# Altium PCB RFFE-Ver1A.PcbDoc (part 4 of 7) (continued)
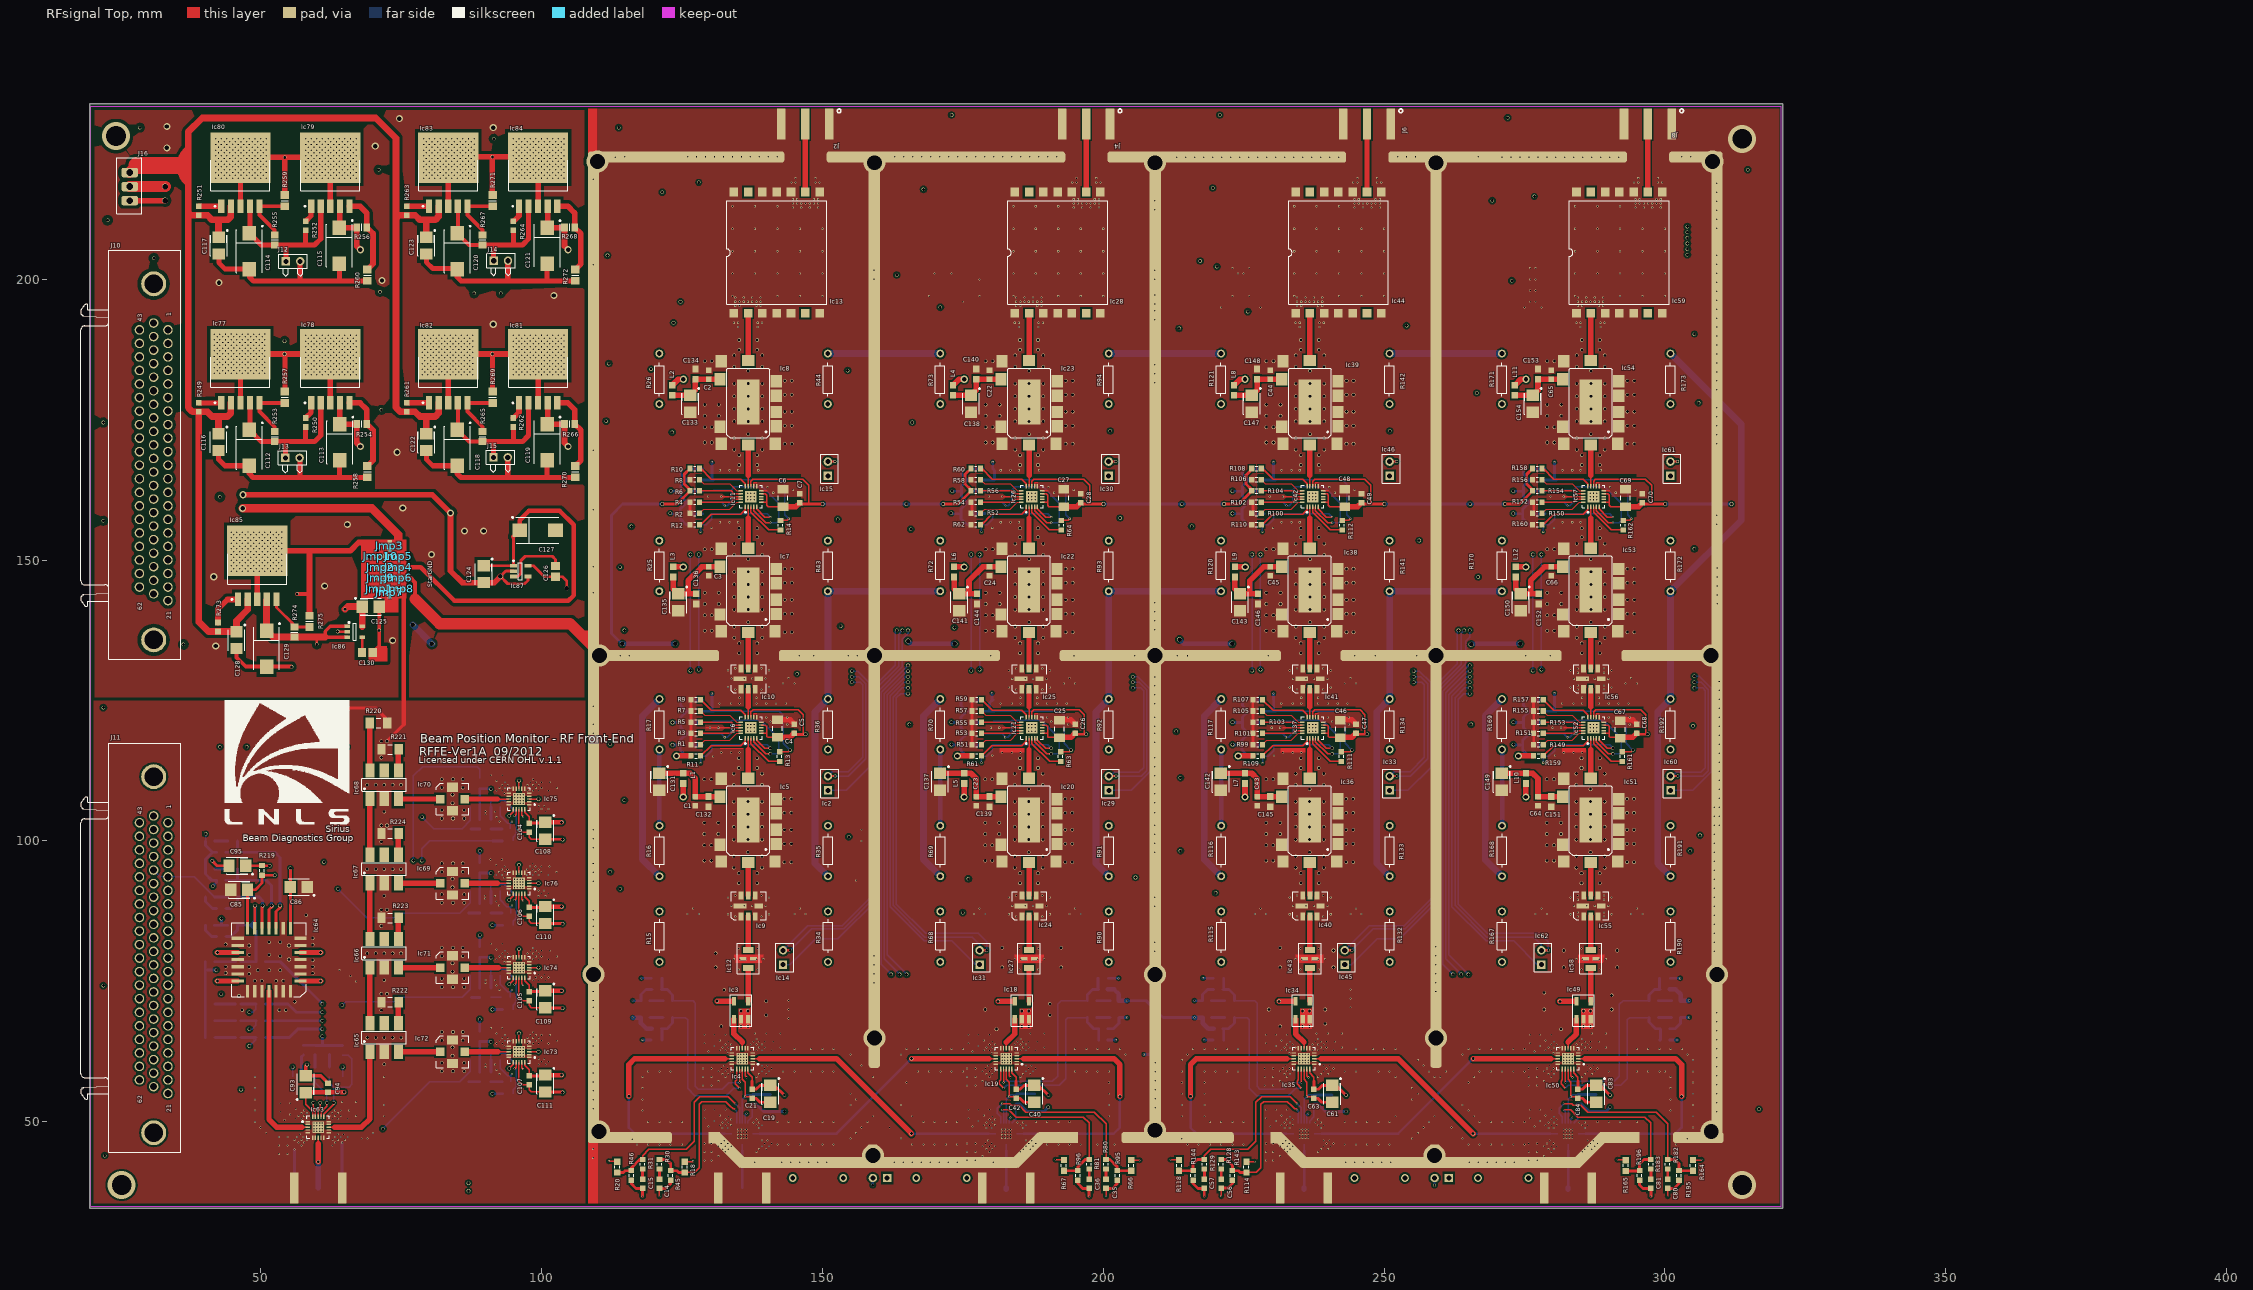
[diagram p0: RFsignal Top view]
## Nets (pads, with @x,y where several pads share a name; then routed paths per layer and width w, separated by ;. In a path a pad name is that pad's centre, name@x,y a point inside that pad or via, vN(x,y) a via of type N, cw(c..) or ccw(c..) an arc to the next point about the centre after c; other vN are vias at no path point) (continued)
  RFsignal Top w0.965: Ic51.5@286.79,111.16 286.79,116.25
NetIc51_10: Ic51.10 Ic55.6 | length 5.9
  RFsignal Top w0.965: Ic51.10@286.79,96.16 286.8,96.15 Ic55.6@286.8,90.3
NetIc52_1: Ic52.1 R159.2 | length 9.6
  RFsignal Top w0.254: R159.2@278.34,115.15 280.19,117 285.5,117 286.29,117.79 Ic52.1@286.29,118.305
NetIc52_3: Ic52.3 R161.2 | length 7.4
  RFsignal Top w0.254: Ic52.3@287.29,118.305 287.29,117.34 290.44,114.19 R161.2@292.41,114.19
NetIc52_4: Ic52.4 Ic57.4 J11.45 R175.2 R178.2 R185.2 R188.2 | length 394.7
  RFsignal Top w0.254: Ic52.4@287.79,118.305 287.79,117.64 289.93,115.5 v2(290.75,115.5) ; Ic57.4@287.79,159.475 287.79,158.81 289.93,156.67 v4(290.75,156.67)
  Digital signal w0.254: J11.45@28.42,98.43 27.153,99.697 27.153,116.709 33.77,123.326 93.646,123.326 108.929,138.609 122.254,138.609 129.09,131.773 142.563,131.773 151.712,140.922 182.887,140.922 183.919,141.954 196.294,141.954 200.825,146.485 240.135,146.485 243.492,149.842 276.842,149.842 v2(278,151) 278,151.97 282.63,156.6 v4(282.63,159.71) ; v2(278,130.5) 282.63,125.87 v4(282.63,118.47)
  RFsignal Bottom w0.254: v2(278,130.5) v2(278,151) ; R185.2@278.35,119.1 282,119.1 v4(282.63,118.47) 283.03,118.47 283.75,119.19 283.75,121.3 ; R188.2@278.35,160.27 282.07,160.27 v4(282.63,159.71) 283.1,159.71 283.75,160.36 283.75,162.47 ; R175.2@280.55,121.3 283.75,121.3 ; R178.2@280.55,162.47 283.75,162.47 ; v2(290.75,115.5) 291.9,115.5 292.2,115.8 292.2,118.3 289,121.5 283.95,121.5 283.75,121.3 ; v4(290.75,156.67) 291.9,156.67 292.2,156.97 292.2,160.17 289.33,163.04 284.32,163.04 283.75,162.47
NetIc52_5: Ic52.5 Ic57.5 J11.46 R176.2 R179.2 R186.2 R189.2 | length 371.3
  RFsignal Top w0.254: Ic52.5@288.29,118.305 288.29,117.94 289.73,116.5 v2(290.75,116.5) ; Ic57.5@288.29,159.475 288.29,159.11 289.73,157.67 v4(290.75,157.67)
  Digital signal w0.254: J11.46@28.42,96.02 26.609,97.831 26.609,116.934 33.545,123.87 93.421,123.87 108.78,139.23 122.511,139.23 129.347,132.394 142.306,132.394 151.37,141.458 182.576,141.458 183.652,142.534 191.414,142.534 192.727,143.847 197.393,143.847 200.592,147.046 239.902,147.046 243.252,150.396 273.425,150.396 274.029,151 v2(276.5,151) 276.5,153.21 v4(278.33,155.04) ; v2(276.5,130.33) 278.33,128.5 v4(278.33,113.92)
  RFsignal Bottom w0.254: v2(276.5,130.33) v2(276.5,151) ; v4(278.33,113.92) 278.33,115.08 278.35,115.1 279.35,115.1 280.35,116.1 280.35,117.1 290.15,117.1 v2(290.75,116.5) ; v4(278.33,155.04) R189.2@278.33,156.25 ; R189.2@278.35,156.27 279.35,156.27 280.35,157.27 280.35,158.27 290.15,158.27 v4(290.75,157.67)
NetIc52_14: Ic52.14 Ic56.2 | length 5
  RFsignal Top w0.254: Ic52.14@286.79,121.995 286.79,123.9
  RFsignal Top w0.965: 286.79,123.9 Ic56.2@286.79,127
NetIc52_15: Ic52.15 R157.2 | length 9.5
  RFsignal Top w0.254: R157.2@278.34,125.15 280.24,123.25 285.5,123.25 286.29,122.46 Ic52.15@286.29,121.995
NetIc52_16: Ic52.16 R155.2 | length 7.9
  RFsignal Top w0.2: R155.2@278.34,123.15 279.082,122.408 283.482,122.408 284.74,121.15 Ic52.16@285.445,121.15
NetIc52_17: Ic52.17 R153.2 | length 7.3
  RFsignal Top w0.254: R153.2@278.34,121.15 283.75,121.15 284.25,120.65 Ic52.17@285.445,120.65
NetIc52_19: Ic52.19 R151.2 | length 7.3
  RFsignal Top w0.254: R151.2@278.34,119.15 283.75,119.15 284.25,119.65 Ic52.19@285.445,119.65
NetIc52_20: Ic52.20 R149.2 | length 7.9
  RFsignal Top w0.2: R149.2@278.35,117.15 279.1,117.9 283.5,117.9 ; 283.5,117.91 284.74,119.15 Ic52.20@285.445,119.15
NetIc53_5: Ic53.5 Ic57.2 | length 7.4
  RFsignal Top w0.254: 286.79,157.42 Ic57.2@286.79,159.475
  RFsignal Top w0.965: Ic53.5@286.79,152.11 286.79,157.42
NetIc53_10: Ic53.10 Ic56.6 | length 6.4
  RFsignal Top w0.965: Ic56.6@286.79,130.73 Ic53.10@286.79,137.11
NetIc54_5: Ic54.5 Ic59.2 | length 8.4
  RFsignal Top w0.965: Ic54.5@286.8,185.52 Ic59.2@286.8,193.95
NetIc54_10: Ic54.10 Ic57.14 | length 7.3
  RFsignal Top w0.254: Ic57.14@286.79,163.165 286.79,165.07
  RFsignal Top w0.965: 286.8,165.08 Ic54.10@286.8,170.52
NetIc55_2: Ic55.2 Ic58.3 | length 6
  RFsignal Top w0.965: Ic58.3@286.8,80.62 Ic55.2@286.8,86.57
NetIc57_1: Ic57.1 R160.2 | length 9.8
  RFsignal Top w0.254: R160.2@278.34,156.32 280.19,158.17 285.5,158.17 286.29,158.96 Ic57.1@286.29,159.475 Ic57.1@286.29,159.283
NetIc57_3: Ic57.3 R162.2 | length 7.5
  RFsignal Top w0.254: Ic57.3@287.29,159.475 287.29,158.51 290.42,155.38 R162.2@292.55,155.38
NetIc57_15: Ic57.15 R158.2 | length 9.7
  RFsignal Top w0.254: R158.2@278.34,166.32 280.24,164.42 285.5,164.42 286.29,163.63 Ic57.15@286.29,163.165 Ic57.15@286.29,163.373
NetIc57_16: Ic57.16 R156.2 | length 8.1
  RFsignal Top w0.2: R156.2@278.14,164.32 278.882,163.578 283.482,163.578 284.74,162.32 Ic57.16@285.445,162.32
NetIc57_17: Ic57.17 R154.2 | length 7.3
  RFsignal Top w0.254: R154.2@278.34,162.32 283.75,162.32 284.25,161.82 Ic57.17@285.445,161.82
NetIc57_19: Ic57.19 R152.2 | length 7.3
  RFsignal Top w0.254: R152.2@278.34,160.32 283.75,160.32 284.25,160.82 Ic57.19@285.445,160.82
NetIc57_20: Ic57.20 R150.2 | length 8.1
  RFsignal Top w0.2: R150.2@278.14,158.32 278.89,159.07 283.49,159.07 284.74,160.32 Ic57.20@285.445,160.32
NetIc59_9: Ic59.9 J8.5 | length 12.1
  RFsignal Top w0.965: Ic59.9@296.96,215.54 J8.5@296.96,227.65
NetIc60_1: Ic60.1 J10.25 | length 413.1
  CallTone RF w0.254: v2(304,209.375) 305.72,209.375 306.875,208.22 310.502,208.22 314.3,204.422 314.3,167.175 308.298,161.173 308.298,139.759 304,135.461 304,129.75 304.429,129.321 v2(305.25,129.321)
  Digital signal w0.127: J10.25@30.96,184.975 34.087,184.975
  Digital signal w0.254: 34.087,184.975 36.775,184.975 40.25,181.5 68.9,181.5 70.72,183.32 70.72,195.192 83.936,208.408 302.619,208.408 303.586,209.375 v2(304,209.375)
  RFsignal Bottom w0.254: Ic60.1@301,109 304.97,109 308.28,112.31 308.28,127.161 306.12,129.321 v2(305.25,129.321)
NetIc60_2: Ic60.2 Ic60.3 J10.4 J10.26 | length 814.9
  CallTone RF w0.254: v2(304,207.375) 306.125,207.375 306.368,207.132 310.051,207.132 313.212,203.971 313.212,167.626 307.21,161.624 307.21,140.21 302.5,135.5 302.5,128.25 303.5,127.25 v2(305.25,127.25) ; v2(304,208.375) 305.951,208.375 306.65,207.676 310.276,207.676 313.756,204.196 313.756,167.4 307.754,161.398 307.754,139.985 303.25,135.481 303.25,129 304,128.25 v2(305.25,128.25)
  Digital signal w0.127: J10.26@30.96,182.565 34.087,182.565
  Digital signal w0.254: J10.4@33.5,183.77 36.605,183.77 39.419,180.956 69.125,180.956 71.264,183.095 71.264,194.966 84.162,207.864 302.845,207.864 303.356,208.375 v2(304,208.375) ; 34.087,182.565 35.935,182.565 38.088,180.412 69.351,180.412 71.808,182.869 71.808,194.741 84.387,207.32 v2@303.945,207.32
  RFsignal Bottom w0.254: Ic60.2@301.307,111.54 301.994,112.227 306.349,112.227 307.192,113.07 307.192,126.75 306.692,127.25 v2(305.25,127.25) ; Ic60.3@302.27,111.56 306.761,111.56 307.736,112.535 307.736,126.946 306.432,128.25 v2(305.25,128.25)
NetIc61_1: Ic61.1 J10.5 | length 346.5
  CallTone RF w0.254: Ic61.1@300.98,165 307.164,165 312.668,170.504 312.668,203.746 309.826,206.588 306.424,206.588 306.211,206.375 v2(304,206.375)
  Digital signal w0.254: J10.5@33.5,181.36 36.14,181.36 37.632,179.868 69.576,179.868 72.352,182.644 72.352,194.516 84.612,206.776 303.571,206.776 v2@303.972,206.375
NetIc61_2: Ic61.2 Ic61.3 J10.6 J10.27 | length 692.2
  CallTone RF w0.254: Ic61.2@300.98,167.54 301.815,168.375 309,168.375 311.58,170.955 311.58,203.295 309.375,205.5 306.875,205.5 305.75,204.375 v2(304,204.375) ; Ic61.3@302.25,167.56 308.954,167.56 312.124,170.73 312.124,203.52 309.6,206.044 306.65,206.044 305.981,205.375 v2(304,205.375)
  Digital signal w0.127: J10.27@30.96,180.155 34.087,180.155
  Digital signal w0.254: J10.6@33.687,178.763 70.009,178.763 73.44,182.193 73.44,194.065 85.063,205.688 99.442,205.688 102.094,203.036 107.516,203.036 110.168,205.688 302.659,205.688 v2@303.972,204.375 ; 34.087,180.155 36.22,180.155 37.068,179.307 69.784,179.307 72.896,182.419 72.896,194.29 84.838,206.232 99.898,206.232 102.55,203.58 107.06,203.58 109.712,206.232 303.115,206.232 v2@303.972,205.375
  RFsignal Bottom w0.254: J10.6@33.5,178.95 J10.6@33.687,178.763
NetIc62_1: Ic62.1 J10.49 | length 448.6
  CallTone RF w0.254: J10.49@28.42,176.54 22.53,182.43 22.53,203.891 28.929,210.29 80.692,210.29 85.882,215.48 111.623,215.48 122.546,226.403 264.718,226.403 268.112,223.009 268.112,218.656 263.388,213.932 263.388,143.006 269.059,137.335 269.059,132.059 v2(265.25,128.25)
  RFsignal Bottom w0.254: v2(265.25,128.25) 264.553,128.25 262.088,125.785 262.088,88.309 268.147,82.25 273.05,82.25 277.3,78 Ic62.1@278,78
NetIc62_2: Ic62.2 Ic62.3 J10.50 J10.51 | length 909.9
  CallTone RF w0.254: J10.51@28.42,171.72 21.442,178.698 21.442,204.342 28.478,211.378 80.242,211.378 85.431,216.568 111.172,216.568 122.095,227.491 265.656,227.491 269.326,223.821 269.326,217.771 264.597,213.042 264.597,143.638 270.25,137.985 270.25,131.25 v2(265.25,126.25) ; J10.50@28.42,174.13 21.986,180.564 21.986,204.117 28.704,210.834 80.467,210.834 85.657,216.024 111.398,216.024 122.321,226.947 265.207,226.947 268.658,223.496 268.658,218.224 263.992,213.558 263.992,143.306 269.666,137.632 269.666,131.666 v2(265.25,127.25)
  RFsignal Bottom w0.254: v2(265.25,126.25) 264.199,126.25 263.176,125.227 263.176,88.76 268.377,83.559 277.793,83.559 279.27,82.082 Ic62.3@279.27,80.56 ; v2(265.25,127.25) 264.388,127.25 262.632,125.494 262.632,88.535 268.261,82.906 276.65,82.906 278,81.556 Ic62.2@278,80.54
NetIc63_3: Ic63.3 Ic64.1 | length 30.3
  RFsignal Top w0.254: 57.306,49.05 Ic63.3@58.403,49.05
  RFsignal Top w0.965: Ic64.1@51.49,73.28 51.49,50.42 52.86,49.05 57.306,49.05
NetIc63_8: Ic63.8 J9.5 | length 9
  RFsignal Top w0.254: Ic63.8@60.248,47.205 60.25,46.14
  RFsignal Top w0.965: v8(60.25,42.91) 60.25,46.14
  RFsignal Bottom w0.965: J9.5@60.251,38.24 v8@60.251,42.909
NetIc63_13: Ic63.13 Ic65.1 | length 19.9
  RFsignal Top w0.254: Ic63.13@62.093,49.05 63.19,49.05
  RFsignal Top w0.965: 63.19,49.05 67.95,49.05 69.45,50.55 Ic65.1@69.45,62.47
NetIc63_16: Ic63.16 R206.2 R207.2 R213.2 | length 18.1
  RFsignal Top w0.254: Ic63.16@61.248,50.895 61.248,51.348 63,53.1 v2(63,53.4)
  RFsignal Bottom w0.254: R207.2@62.25,58.04 62.25,56.933 62.991,56.192 ; v2(63,53.4) 63,56.183 62.991,56.192 ; R213.2@64.56,61.87 65.58,61.87 66.22,61.23 R206.2@66.22,58.03 66.22,56.67 65.742,56.192 62.991,56.192
NetIc63_17: Ic63.17 R204.2 R208.2 R214.2 | length 14.9
  RFsignal Top w0.254: Ic63.17@60.748,50.895 60.748,51.748 61.8,52.8 v2(61.8,53.4)
  RFsignal Bottom w0.254: R208.2@59.68,58.02 59.68,56.97 61.8,54.85 v2(61.8,53.4)
  RFsignal Bottom w0.508: R214.2@57.61,61.93 57.3,61.62 R204.2@57.3,58.02 R208.2@59.68,58.02
NetIc64_5: Ic64.5 Ic75.3 | length 104.9
  RFsignal Top w0.254: Ic75.3@97.835,107.47 v2(99.47,107.47)
  RFsignal Top w0.965: v2(42.3,75.07) Ic64.5@45.89,75.07
  CallTone RF w0.2: v2(42.3,75.07) 38.98,75.07 37.5,76.55 37.5,96.498 42.506,101.504 100.864,101.504 102.6,103.24 102.6,105.85 100.98,107.47 v2(99.47,107.47)
NetIc64_9: Ic64.9 Ic76.3 | length 82.1
  RFsignal Top w0.254: Ic76.3@97.835,92.47 v2(99.47,92.47)
  RFsignal Top w0.965: v2(42.3,80.15) Ic64.9@45.89,80.15
  CallTone RF w0.2: v2(42.3,80.15) 40.45,82 40.45,86.385 41.665,87.6 59.931,87.6 60.681,86.85 101.35,86.85 102.5,88 102.5,90.75 100.78,92.47 v2(99.47,92.47)
NetIc64_21: Ic64.21 Ic74.3 | length 58.1
  RFsignal Top w0.254: Ic74.3@97.835,77.47 v2(99.47,77.47)
  RFsignal Top w0.965: Ic64.21@57.09,80.15 v2(60.68,80.15)
  CallTone RF w0.2: v2(60.68,80.15) 62.43,78.4 71.45,78.4 78.05,71.8 101.4,71.8 102.7,73.1 102.7,76.2 101.43,77.47 v2(99.47,77.47)
NetIc64_25: Ic64.25 Ic73.3 | length 70.5
  RFsignal Top w0.254: Ic73.3@97.835,62.47 v2(99.47,62.47)
  RFsignal Top w0.965: Ic64.25@57.09,75.07 v2(60.68,75.07)
  CallTone RF w0.2: v2(60.68,75.07) 64.58,75.07 66.25,73.4 66.25,58.8 68.25,56.8 101.3,56.8 102.55,58.05 102.55,61.3 101.38,62.47 v2(99.47,62.47)
NetIc65_3: Ic65.3 Ic72.1 | length 7.5
  RFsignal Top w0.965: Ic65.3@74.53,62.47 Ic72.1@81.99,62.47
NetIc65_4: Ic65.4 R222.2 | length 3.7
  RFsignal Top w0.965: Ic65.4@74.53,67.55 R222.2@74.53,71.24
NetIc65_6: Ic65.6 Ic66.1 | length 9.9
  RFsignal Top w0.965: Ic65.6@69.45,67.55 Ic66.1@69.45,77.47
NetIc66_3: Ic66.3 Ic71.1 | length 7.5
  RFsignal Top w0.965: Ic66.3@74.53,77.47 Ic71.1@81.99,77.47
NetIc66_4: Ic66.4 R223.1 | length 3.7
  RFsignal Top w0.965: Ic66.4@74.53,82.55 R223.1@74.53,86.24
NetIc66_6: Ic66.6 Ic67.1 | length 9.9
  RFsignal Top w0.965: Ic66.6@69.45,82.55 Ic67.1@69.45,92.47
NetIc67_3: Ic67.3 Ic69.1 | length 7.5
  RFsignal Top w0.965: Ic67.3@74.53,92.47 Ic69.1@81.99,92.47
NetIc67_4: Ic67.4 R224.1 | length 3.7
  RFsignal Top w0.965: Ic67.4@74.53,97.55 R224.1@74.53,101.24
NetIc67_6: Ic67.6 Ic68.1 | length 9.9
  RFsignal Top w0.965: Ic67.6@69.45,97.55 Ic68.1@69.45,107.47
NetIc68_3: Ic68.3 Ic70.1 | length 7.5
  RFsignal Top w0.965: Ic68.3@74.53,107.47 Ic70.1@81.99,107.47
NetIc68_4: Ic68.4 R221.2 | length 3.7
  RFsignal Top w0.965: Ic68.4@74.53,112.55 R221.2@74.53,116.24
NetIc68_6: Ic68.6 R220.2 | length 8.4
  RFsignal Top w0.965: Ic68.6@69.45,112.55 R220.2@69.45,121
NetIc69_3: Ic69.3 Ic76.13 | length 7.8
  RFsignal Top w0.254: 92.16,92.47 Ic76.13@94.145,92.47
  RFsignal Top w0.965: Ic69.3@86.31,92.47 92.16,92.47
NetIc70_3: Ic70.3 Ic75.13 | length 7.8
  RFsignal Top w0.254: 92.15,107.47 Ic75.13@94.145,107.47
  RFsignal Top w0.965: Ic70.3@86.31,107.47 92.15,107.47
NetIc71_3: Ic71.3 Ic74.13 | length 7.8
  RFsignal Top w0.254: 92.29,77.47 Ic74.13@94.145,77.47
  RFsignal Top w0.965: Ic71.3@86.31,77.47 92.29,77.47
NetIc72_3: Ic72.3 Ic73.13 | length 7.8
  RFsignal Top w0.254: 92.2,62.47 Ic73.13@94.145,62.47
  RFsignal Top w0.965: Ic72.3@86.31,62.47 92.2,62.47
NetIc73_16: Ic73.16 R231.1 R233.2 R241.2 | length 15.4
  RFsignal Top w0.254: v2(94.25,59.5) 94.99,60.24 Ic73.16@94.99,60.625
  Digital signal w0.127: v2(91,64.25) 91,61.85 93.35,59.5 v2(94.25,59.5)
  RFsignal Bottom w0.508: R233.2@89,58.85 R241.2@89,61.05 ; R241.2@89,61.15 R231.1@89,64.3 v2@90.95,64.3
NetIc73_17: Ic73.17 R227.1 R234.2 R242.2 | length 15.5
  RFsignal Top w0.254: v3(95.2,59.47) 95.49,59.76 Ic73.17@95.49,60.625
  RFsignal Bottom w0.254: R242.2@90.95,61.1 90.95,62 91.15,62.2 93.438,62.2 95.5,60.138 95.5,56.25 94.95,55.7 R227.1@94.95,55 ; v3(95.2,59.47) 95.46,59.47
  RFsignal Bottom w0.508: R234.2@91,58.85 R242.2@91,61.05
NetIc74_16: Ic74.16 R229.1 R235.2 R243.2 | length 15.4
  RFsignal Top w0.254: v2(94.25,74.5) 94.99,75.24 Ic74.16@94.99,75.625
  Digital signal w0.127: v2(91,79.25) 91,76.85 93.35,74.5 v2(94.25,74.5)
  RFsignal Bottom w0.508: R235.2@89,73.85 R243.2@89,76.05 ; R243.2@89,76.15 R229.1@89,79.3 v2@90.95,79.3
NetIc74_17: Ic74.17 R225.1 R236.2 R244.2 | length 15.5
  RFsignal Top w0.254: v3(95.2,74.47) 95.49,74.76 Ic74.17@95.49,75.625
  RFsignal Bottom w0.254: R244.2@90.95,76.1 90.95,77 91.15,77.2 93.438,77.2 95.5,75.138 95.5,74.25 95.5,71.35 94.95,70.8 R225.1@94.95,70 ; v3(95.2,74.47) 95.46,74.47
  RFsignal Bottom w0.508: R236.2@91,73.85 R244.2@91,76.05
NetIc75_16: Ic75.16 R232.1 R237.2 R245.2 | length 15.4
  RFsignal Top w0.254: v2(94.25,104.5) 94.99,105.24 Ic75.16@94.99,105.625
  Digital signal w0.127: v2(91,109.25) 91,106.85 93.35,104.5 v2(94.25,104.5)
  RFsignal Bottom w0.508: R237.2@89,103.85 R245.2@89,106.05 ; R245.2@89,106.15 R232.1@89,109.3 v2@90.95,109.3
NetIc75_17: Ic75.17 R228.1 R238.2 R246.2 | length 15.5
  RFsignal Top w0.254: v3(95.2,104.47) 95.49,104.76 Ic75.17@95.49,105.625
  RFsignal Bottom w0.254: R246.2@90.95,106.1 90.95,107 91.15,107.2 93.438,107.2 95.5,105.138 95.5,104.25 95.5,101.25 94.95,100.7 R228.1@94.95,100 ; v3(95.2,104.47) 95.46,104.47
  RFsignal Bottom w0.508: R238.2@91,103.85 R246.2@91,106.05
NetIc76_16: Ic76.16 R230.1 R239.2 R247.2 | length 15.4
  RFsignal Top w0.254: v2(94.25,89.5) 94.99,90.24 Ic76.16@94.99,90.625
  Digital signal w0.127: v2(91,94.25) 91,91.85 93.35,89.5 v2(94.25,89.5)
  RFsignal Bottom w0.508: R239.2@89,88.85 R247.2@89,91.05 ; R247.2@89,91.15 R230.1@89,94.3 v2@90.95,94.3
NetIc76_17: Ic76.17 R226.1 R240.2 R248.2 | length 15.5
  RFsignal Top w0.254: v3(95.2,89.47) 95.49,89.76 Ic76.17@95.49,90.625
  RFsignal Bottom w0.254: R248.2@90.95,91.1 90.95,92 91.15,92.2 93.438,92.2 95.5,90.138 95.5,89.25 95.5,86.25 94.95,85.7 R226.1@94.95,85 ; v3(95.2,89.47) 95.46,89.47
  RFsignal Bottom w0.508: R240.2@91,88.85 R248.2@91,91.05
NetIc77_1: Ic77.1 R249.1 | length 4
  RFsignal Top w0.9: R249.1@39,178 Ic77.1@42.996,178
NetIc77_5: Ic77.5 R253.2 R257.1 | length 10.7
  RFsignal Top w0.7: R253.2@52.5,172.9 52.5,173.75 49.804,176.446 Ic77.5@49.804,178 R257.1@54.3,178
NetIc78_1: Ic78.1 R250.1 | length 3.1
  RFsignal Top w0.9: R250.1@58,175.3 58.996,176.296 Ic78.1@58.996,178
NetIc78_5: Ic78.5 R254.2 R258.1 | length 14.5
  RFsignal Top w1: Ic78.5@65.804,178 67.7,178 68.9,176.8 R254.2@68.9,174.25 70,173.15 70,167.75 R258.1@69,166.75
NetIc79_1: Ic79.1 R252.1 | length 3.1
  RFsignal Top w0.9: R252.1@58,210.3 58.996,211.296 Ic79.1@58.996,213
NetIc79_5: Ic79.5 R256.2 R260.1 | length 14.5
  RFsignal Top w1: Ic79.5@65.804,213 67.7,213 68.9,211.8 R256.2@68.9,209.25 70,208.15 70,202.75 R260.1@69,201.75
NetIc80_1: Ic80.1 R251.1 | length 4
  RFsignal Top w0.9: R251.1@39,213 Ic80.1@42.996,213
NetIc80_5: Ic80.5 R255.2 R259.1 | length 10.7
  RFsignal Top w0.7: R255.2@52.5,207.9 52.5,208.75 49.804,211.446 Ic80.5@49.804,213 R259.1@54.3,213
NetIc81_1: Ic81.1 R262.1 | length 3.1
  RFsignal Top w1: R262.1@95,175.3 95.996,176.296 Ic81.1@95.996,178
NetIc81_5: Ic81.5 R266.2 R270.1 | length 14.5
  RFsignal Top w1: Ic81.5@102.804,178 104.7,178 105.9,176.8 R266.2@105.9,174.25 107,173.15 107,167.75 R270.1@106,166.75
NetIc82_1: Ic82.1 R261.1 | length 4
  RFsignal Top w1: R261.1@76,178 Ic82.1@79.996,178
NetIc82_5: Ic82.5 R265.2 R269.1 | length 10.7
  RFsignal Top w0.7: R265.2@89.5,172.9 89.5,173.75 86.804,176.446 Ic82.5@86.804,178 R269.1@91.3,178
NetIc83_1: Ic83.1 R263.1 | length 4
  RFsignal Top w1: R263.1@76,213 Ic83.1@79.996,213
NetIc83_5: Ic83.5 R267.2 R271.1 | length 10.7
  RFsignal Top w0.7: R267.2@89.5,207.9 89.5,208.75 86.804,211.446 Ic83.5@86.804,213 R271.1@91.3,213
NetIc84_1: Ic84.1 R264.1 | length 3.1
  RFsignal Top w1: R264.1@95,210.3 95.996,211.296 Ic84.1@95.996,213
NetIc84_5: Ic84.5 R268.2 R272.1 | length 14.5
  RFsignal Top w1: Ic84.5@102.804,213 104.7,213 105.9,211.8 R268.2@105.9,209.25 107,208.15 107,202.75 R272.1@106,201.75
NetIc85_1: Ic85.1 R273.1 | length 6.7
  RFsignal Top w1: R273.1@42.4,138.9 42.4,141.3 44.1,143 Ic85.1@45.996,143
NetIc85_5: Ic85.5 R274.2 R275.1 | length 8.9
  RFsignal Top w0.508: Ic85.5@52.804,143 52.804,141.596 56,138.4 R274.2@56,138.1 R275.1@58.7,138.1
NetJ10_13: J10.13 R49.2 R50.2 | length 261.7
  Supply w0.6: J10.13@33.5,162.08 36.12,162.08 40.146,158.054 40.146,124.883 38.685,123.422 38.685,48.915 48.5,39.1 v2(87,39.1)
  CallTone RF w0.8: R49.2@144.725,40 147.325,37.4 173.115,37.4 R50.2@175.715,40
  Digital signal w0.8: v2(87,39.1) 143.825,39.1 R49.2@144.725,40
NetJ10_14: J10.14 R147.2 R148.2 | length 362.1
  Supply w0.6: J10.14@33.5,159.67 36.55,159.67 38.41,157.81 38.41,125.837 36.873,124.3 36.873,48.747 47.92,37.7 v2(87,37.7)
  CallTone RF w0.8: R147.2@244.725,40 247.525,37.2 272.915,37.2 R148.2@275.715,40
  Digital signal w0.8: v2(87,37.7) 242.425,37.7 R147.2@244.725,40
NetJ10_21: J10.21 R170.2 R171.2 R172.2 R173.2 | length 394.3
  Supply w0.8: R170.2@270.98,153.465 276.224,158.709 295.736,158.709 R172.2@300.98,153.465 302.965,153.465 305,155.5 305,175.75 302.965,177.785 R173.2@300.98,177.785 297.528,174.333 297.528,168.576 293.21,164.258 275.084,164.258 270.98,168.362 R171.2@270.98,177.785
  Digital signal w0.8: J10.21@33.5,142.8 79.9,142.8 109.6,172.5 109.6,186.5 121.8,198.7 254.1,198.7 270.98,181.82 R171.2@270.98,177.785
NetJ10_42: J10.42 R120.2 R121.2 R141.2 R142.2 | length 340.2
  Supply w0.8: R120.2@220.98,153.465 226.224,158.709 245.736,158.709 R141.2@250.98,153.465 252.965,153.465 255,155.5 255,175.75 252.965,177.785 R142.2@250.98,177.785 247.528,174.333 247.528,168.576 243.21,164.258 225.084,164.258 220.98,168.362 R121.2@220.98,177.785
  Digital signal w0.8: J10.42@30.96,144.005 30.96,142.24 33.14,140.06 82.66,140.06 113.8,171.2 113.8,183.4 120.6,190.2 208.565,190.2 R121.2@220.98,177.785
NetJ10_56: J10.56 R15.2 R16.2 R17.2 R34.2 R35.2 R36.2 | length 246.3
  Supply w0.8: R16.2@121,102.715 123.085,102.715 124.4,101.4 124.4,90.865 R15.2@121,87.465 123.965,84.5 148.035,84.5 R34.2@151,87.465 147,91.465 147,101.1 148.615,102.715 R35.2@151,102.715 154.715,102.715 156,104 156,115 154.715,116.285 R36.2@151,116.285
  CallTone RF w0.8: J10.56@28.42,159.67 20.668,151.918 20.668,129.932 27.5,123.1 114.185,123.1 R17.2@121,116.285
  RFsignal Bottom w0.8: R16.2@121,102.715 R17.2@121,116.285
NetJ10_57: J10.57 R68.2 R69.2 R70.2 R90.2 R91.2 R92.2 | length 290.3
  Supply w0.8: R69.2@171,102.715 173.085,102.715 174.4,101.4 174.4,90.865 R68.2@171,87.465 173.965,84.5 198.035,84.5 R90.2@201,87.465 197,91.465 197,101.1 198.615,102.715 R91.2@201,102.715 204.715,102.715 206,104 206,115 204.715,116.285 R92.2@201,116.285
  CallTone RF w0.8: J10.57@28.42,157.26 22.074,150.914 22.074,132.626 28.8,125.9 116.3,125.9 124.571,117.629 150.435,117.629 150.441,117.635 152.365,117.635 153.715,116.285 R70.2@171,116.285
  RFsignal Bottom w0.8: R69.2@171,102.715 R70.2@171,116.285
NetJ10_58: J10.58 R115.2 R116.2 R117.2 R132.2 R133.2 R134.2 | length 335.5
  Supply w0.8: R116.2@221,102.715 223.085,102.715 224.4,101.4 224.4,90.865 R115.2@221,87.465 223.965,84.5 248.035,84.5 R132.2@251,87.465 247,91.465 247,101.1 248.615,102.715 R133.2@251,102.715 254.715,102.715 256,104 256,115 254.715,116.285 R134.2@251,116.285
  CallTone RF w0.8: J10.58@28.42,154.85 23.604,150.034 23.604,133.996 29.8,127.8 125.16,127.8 129.944,123.016 150.454,123.016 154.642,118.828 175.264,118.828 176.968,117.124 188.664,117.124 189.369,117.83 202.42,117.83 203.965,116.285 R117.2@221,116.285
  RFsignal Bottom w0.8: R116.2@221,102.715 R117.2@221,116.285
NetJ10_59: J10.59 R167.2 R168.2 R169.2 R190.2 R191.2 R192.2 | length 381.3
  Supply w0.8: R168.2@271,102.715 273.085,102.715 274.4,101.4 274.4,90.865 R167.2@271,87.465 273.965,84.5 298.035,84.5 R190.2@301,87.465 297,91.465 297,101.1 298.615,102.715 R191.2@301,102.715 304.715,102.715 306,104 306,115 304.715,116.285 R192.2@301,116.285
  CallTone RF w0.8: J10.59@28.42,152.44 25.231,149.251 25.231,135.469 28.29,132.41 58.09,132.41 61,129.5 122.5,129.5 124.8,131.8 147.2,131.8 155.706,123.294 248.456,123.294 255.465,116.285 R169.2@271,116.285
  RFsignal Bottom w0.8: R168.2@271,102.715 R169.2@271,116.285
NetJ10_61: J10.61 R25.2 R26.2 R43.2 R44.2 | length 250.6
  Supply w0.8: R25.2@120.98,153.465 126.224,158.709 145.736,158.709 R43.2@150.98,153.465 152.965,153.465 155,155.5 155,175.75 152.965,177.785 R44.2@150.98,177.785 147.528,174.333 147.528,168.576 143.21,164.258 125.084,164.258 120.98,168.362 R26.2@120.98,177.785
  Digital signal w0.8: J10.61@28.42,147.62 26.52,147.62 25,146.1 25,135.2 27.59,132.61 85.21,132.61 120.98,168.38 R26.2@120.98,177.785
NetJ10_62: J10.62 R72.2 R73.2 R93.2 R94.2 | length 286.6
  Supply w0.8: R72.2@170.98,153.465 176.224,158.709 195.736,158.709 R93.2@200.98,153.465 202.965,153.465 205,155.5 205,175.75 202.965,177.785 R94.2@200.98,177.785 197.528,174.333 197.528,168.576 193.21,164.258 175.084,164.258 170.98,168.362 R73.2@170.98,177.785
  CallTone RF w0.254: J10.62@27.71,145.21 J10.62@28.42,145.21
  Digital signal w0.8: J10.62@28.42,145.21 28.42,142.08 31.73,138.77 73.83,138.77 75.49,137.11 84.71,137.11 117.6,170 117.6,178.1 119.905,180.405 152.595,180.405 155.215,177.785 R73.2@170.98,177.785
NetJ11_1: J11.1 R163.1 | length 303.5
  Digital signal w0.254: J11.1@33.5,103.25 36.224,105.974 36.224,109.522 41.825,115.123 67.104,115.123 70.541,118.56 100.195,118.56 120.51,98.245 131.195,98.245 132.275,99.324 141.026,99.324 142.075,98.275 181.095,98.275 182.271,99.45 191.131,99.45 192.805,101.124 204.206,101.124 220.798,84.532 292.476,84.532 294.896,82.112 294.896,77.02 296.366,75.55 v3(302.7,75.55)
  RFsignal Bottom w0.508: R163.1@300.95,75.57 v3@302.73,75.57
NetJ11_2: J11.2 R166.1 | length 313.7
  Digital signal w0.254: J11.2@33.5,100.84 36.768,104.108 36.768,109.297 42.05,114.579 67.329,114.579 69.66,116.91 101.075,116.91 120.285,97.701 131.421,97.701 132.5,98.78 140.801,98.78 141.85,97.731 181.321,97.731 182.387,98.797 191.247,98.797 193.03,100.58 203.98,100.58 220.573,83.988 292.251,83.988 294.352,81.886 294.352,66.51 296.292,64.57 v3(302.18,64.57)
  RFsignal Bottom w0.508: R166.1@300.8,64.57 v3(302.18,64.57) v3@302.23,64.57
NetJ11_3: J11.3 R165.2 | length 332.2
  RFsignal Top w0.254: v3(291.5,43.25) R165.2@293,43.25
  Digital signal w0.254: J11.3@33.5,98.43 35.64,98.43 37.856,100.646 37.856,108.846 42.501,113.491 67.78,113.491 70.111,115.822 100.625,115.822 119.834,96.613 123.208,96.613 125.311,94.51 130.22,94.51 131.68,95.97 141.141,95.97 142.22,94.891 177.302,94.891 ; 177.302,94.881 178.769,93.414 193.265,93.414 198.801,98.95 204.072,98.95 220.122,82.9 291.8,82.9 293.264,81.436 293.264,45.015 v3(291.5,43.25)
NetJ11_4: J11.4 R119.1 | length 231.1
  Digital signal w0.254: J11.4@33.5,96.02 36.6,96.02 38.944,98.364 38.944,108.395 42.952,112.403 71.679,112.403 74.01,114.734 100.174,114.734 115.566,99.342 115.566,96.067 120.555,91.078 203.521,91.078 213.088,81.511 213.088,66.64 215.178,64.55 v3(218,64.55)
  RFsignal Bottom w0.508: v3@218,64.6 R119.1@219.52,64.6
NetJ11_6: J11.6 R118.2 | length 251.4
  RFsignal Top w0.254: v3(212,43.25) R118.2@213.5,43.25
  Digital signal w0.254: J11.6@33.5,91.2 38.585,91.2 42.421,95.036 42.421,110.334 43.402,111.315 72.234,111.315 74.565,113.646 99.548,113.646 114.404,98.79 114.404,95.69 124.314,85.78 207.28,85.78 212,81.06 v3(212,43.25)
NetJ11_7: J11.7 R67.2 | length 237.6
  RFsignal Top w0.254: v3(191.5,43.25) R67.2@193,43.25
  Digital signal w0.254: J11.7@33.514,88.776 40.263,88.776 52.758,101.271 98.439,101.271 115.89,83.82 202.216,83.82 205.956,80.08 205.956,46.01 203.196,43.25 v3(191.5,43.25)
NetJ11_8: J11.8 R65.1 | length 192.5
  Digital signal w0.254: J11.8@33.5,86.38 39.57,86.38 53.373,100.183 68.497,100.183 69.537,99.143 99.029,99.143 115.44,82.732 201.765,82.732 204.868,79.629 204.868,77.4 203.018,75.55 v3(202.75,75.55)
  RFsignal Bottom w0.508: R65.1@200.95,75.57 v3@202.73,75.57